# Altium PCB PANNEL-BOARD.PcbDoc
Units mm, origin at the board's own origin, x right, y up, seen from the top; angles counter-clockwise.
Board outline 58 x 85.8 mm, 2 copper layers (Top Layer, Bottom Layer), stack 1.671 mm thick; 4 components, 0 nets, 4 pads, 0 vias.
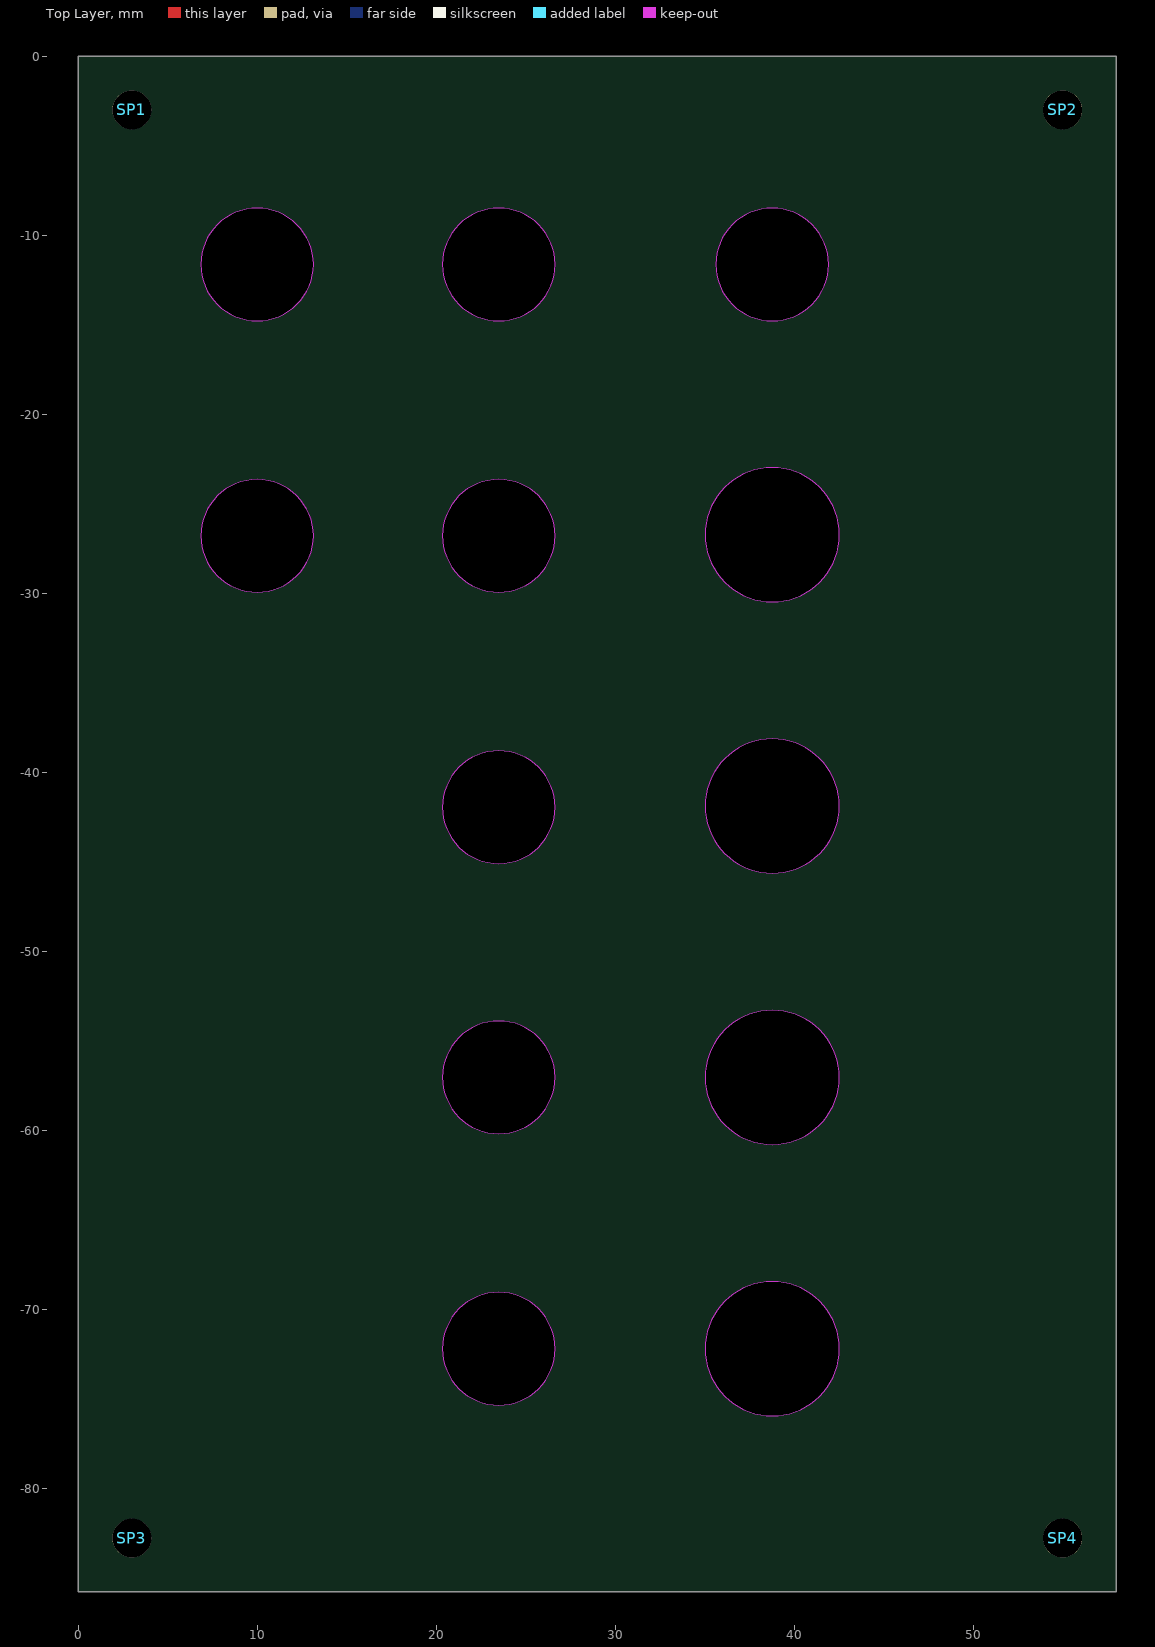
[diagram p0: Top Layer view]
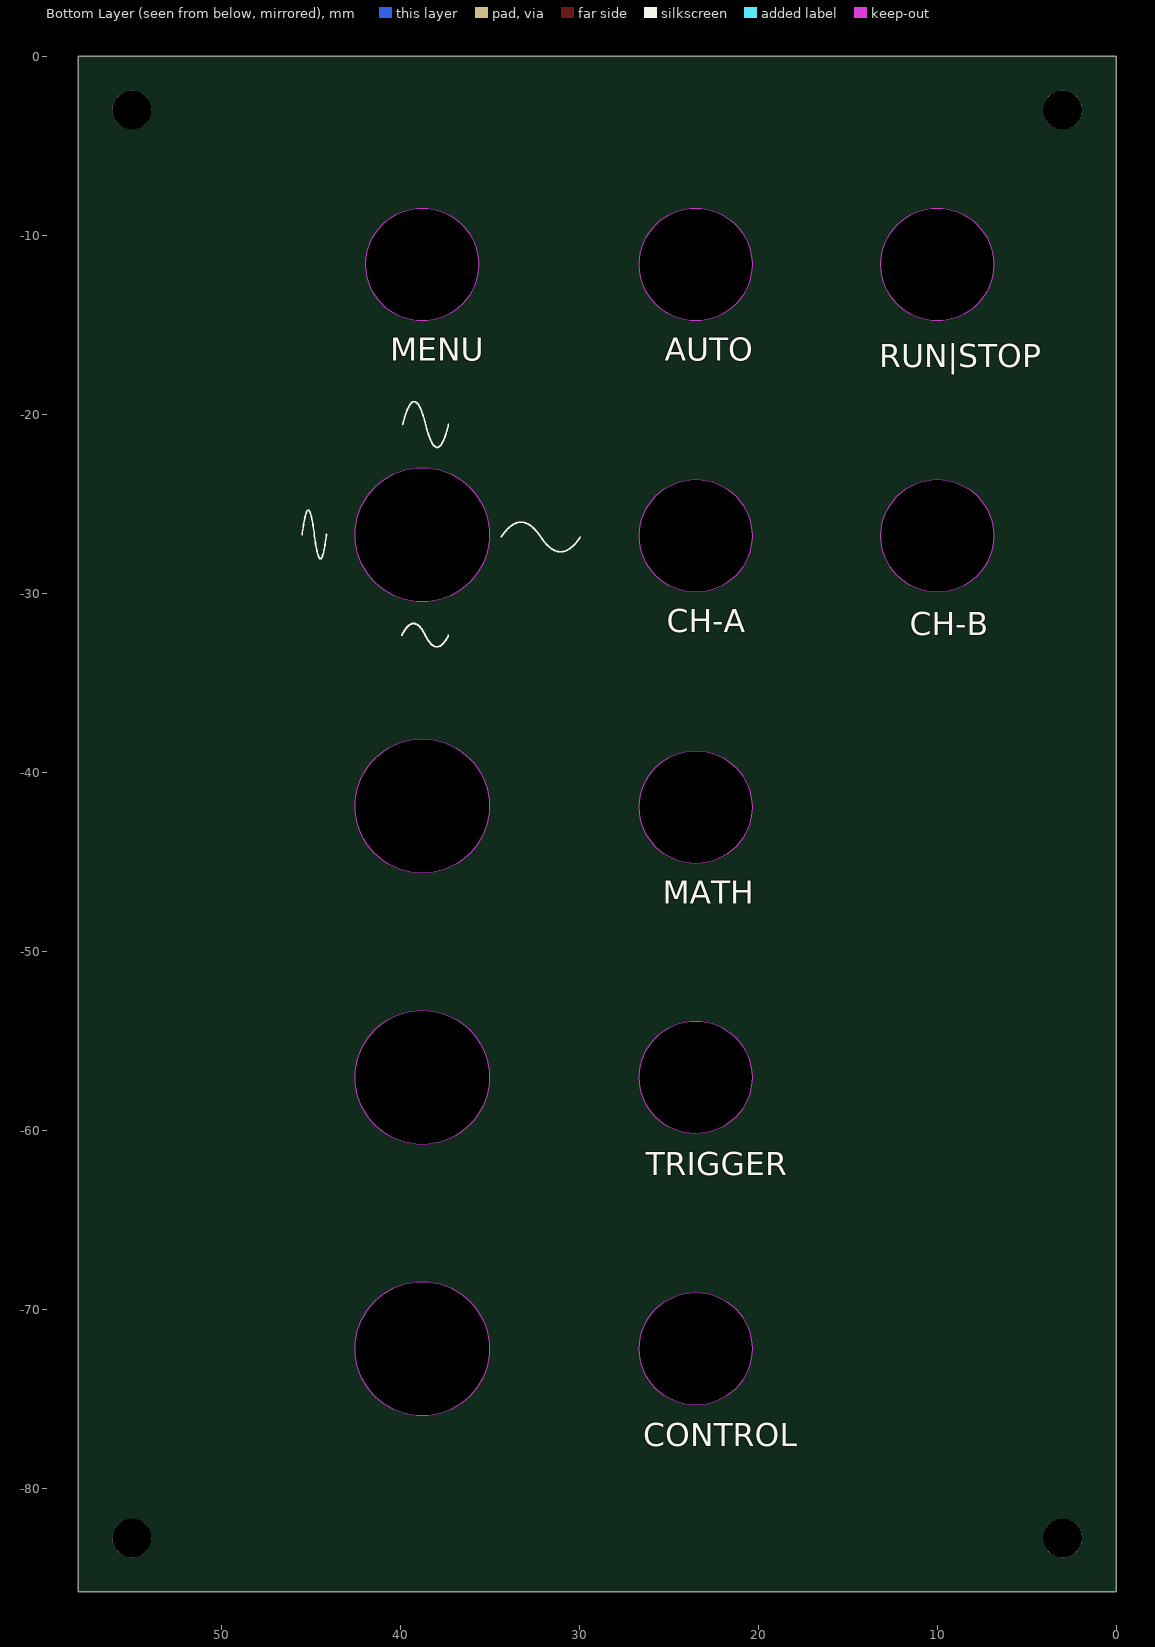
[diagram p1: Bottom Layer view, seen from below]

## Layer stack, top to bottom
Top Solder: solder mask 0.0102, Solder Resist, Dk 3.5
Top Layer: signal copper 0.0356
Dielectric 1: dielectric 1.6, FR-4, Dk 4.8
Bottom Layer: signal copper 0.0356
Bottom Solder: solder mask 0.0102, Solder Resist, Dk 3.5

## Board outline
0,-85.8 0,0 58,0 58,-85.8
cut-out: 20.35,-11.64 ccw(c23.5,-11.64) 23.5,-14.79 ccw(c23.5,-11.64) 26.65,-11.64 ccw(c23.5,-11.64) 23.5,-8.49 ccw(c23.5,-11.64)
cut-out: 6.85,-11.64 ccw(c10,-11.64) 10,-14.79 ccw(c10,-11.64) 13.15,-11.64 ccw(c10,-11.64) 10,-8.49 ccw(c10,-11.64)
cut-out: 35.628,-11.64 ccw(c38.778,-11.64) 38.778,-14.79 ccw(c38.778,-11.64) 41.928,-11.64 ccw(c38.778,-11.64) 38.778,-8.49 ccw(c38.778,-11.64)
cut-out: 20.35,-72.216 ccw(c23.5,-72.216) 23.5,-75.366 ccw(c23.5,-72.216) 26.65,-72.216 ccw(c23.5,-72.216) 23.5,-69.066 ccw(c23.5,-72.216)
cut-out: 35.028,-72.217 ccw(c38.778,-72.217) 38.778,-75.967 ccw(c38.778,-72.217) 42.528,-72.217 ccw(c38.778,-72.217) 38.778,-68.467 ccw(c38.778,-72.217)
cut-out: 35.028,-26.736 ccw(c38.778,-26.736) 38.778,-30.486 ccw(c38.778,-26.736) 42.528,-26.736 ccw(c38.778,-26.736) 38.778,-22.986 ccw(c38.778,-26.736)
cut-out: 20.35,-26.8 ccw(c23.5,-26.8) 23.5,-29.95 ccw(c23.5,-26.8) 26.65,-26.8 ccw(c23.5,-26.8) 23.5,-23.65 ccw(c23.5,-26.8)
cut-out: 6.85,-26.8 ccw(c10,-26.8) 10,-29.95 ccw(c10,-26.8) 13.15,-26.8 ccw(c10,-26.8) 10,-23.65 ccw(c10,-26.8)
cut-out: 35.028,-41.896 ccw(c38.778,-41.896) 38.778,-45.647 ccw(c38.778,-41.896) 42.528,-41.896 ccw(c38.778,-41.896) 38.778,-38.146 ccw(c38.778,-41.896)
cut-out: 20.35,-41.96 ccw(c23.5,-41.96) 23.5,-45.11 ccw(c23.5,-41.96) 26.65,-41.96 ccw(c23.5,-41.96) 23.5,-38.81 ccw(c23.5,-41.96)
cut-out: 20.35,-57.056 ccw(c23.5,-57.056) 23.5,-60.206 ccw(c23.5,-57.056) 26.65,-57.056 ccw(c23.5,-57.056) 23.5,-53.906 ccw(c23.5,-57.056)
cut-out: 35.028,-57.057 ccw(c38.778,-57.057) 38.778,-60.807 ccw(c38.778,-57.057) 42.528,-57.057 ccw(c38.778,-57.057) 38.778,-53.306 ccw(c38.778,-57.057)

## Design rules (kind name [scope] priority, off if disabled: settings)
Clearance [All] p1: gap=0.127 ignorepadtopadclearanceinfootprint=FALSE
DiffPairsRouting [All] p1: maxlimit=0.381 minlimit=0.152 mostfreqgap=0.254 toplayer_minwidth=0.152 toplayer_maxwidth=0.381 toplayer_prefwidth=0.152 bottomlayer_minwidth=0.152 bottomlayer_maxwidth=0.381 bottomlayer_prefwidth=0.152 maxuncoupledlength=12.7
PlaneClearance [All] p1: clearance=0.203
PlaneConnect [All] p1: planeconnectstyle=Direct reliefexpansion=0.508 reliefentries=4 reliefconductorwidth=0.254 reliefairgap=0.254
PolygonConnect [All] p1: connectstyle=Direct reliefconductorwidth=0.254 reliefentries=4 polygonreliefangle="90 Angle" airgapwidth=0.254
RoutingVias [All] p1: holewidth=0.3 width=0.5 viastyle="Through Hole" minholewidth=0.3 minwidth=0.5 maxholewidth=0.3 maxwidth=0.5
SolderMaskExpansion [All] p1: expansion=0.102 istentingtop=FALSE
Width [All] p1: maxlimit=1.27 minlimit=0.152 preferedwidth=0.152
27 further rules are at their usual default settings.

## Components (designator, comment, footprint, x,y, rotation, side; value= is the part's Value field where it differs from the comment)
SP1 "M2铜柱" M2 3,-3 r0 top
SP2 "M2铜柱" M2 55,-3 r0 top
SP3 "M2铜柱" M2 3,-82.8 r0 top
SP4 "M2铜柱" M2 55,-82.8 r0 top

## Footprints (in the part's own frame and the unit in brackets; to place one, negate y for a bottom-side part, rotate by r counter-clockwise, add the part's x,y. Pads: shape width x height; smd on the part's side, far side on the other; paste and mask are expansions set on the pad)
M2 [mm] "M3螺丝孔，孔125Mil，焊盘200Mil"
  round 2.175 hole 2.175: 1(0,0)

## Part data
SP1 SP2 SP3 SP4: BOM名称=铜柱, 学习资源=www.ooocke.com, 版权归属=源创客

## Nets (pads, with @x,y where several pads share a name; then routed paths per layer and width w, separated by ;. In a path a pad name is that pad's centre, name@x,y a point inside that pad or via, vN(x,y) a via of type N, cw(c..) or ccw(c..) an arc to the next point about the centre after c; other vN are vias at no path point)
pads on no net: SP1.1 SP2.1 SP3.1 SP4.1

## Silkscreen, mask and mechanical layers (free items; w line width, h text height)
Bottom Overlay:
  drawing of 878 lines, arcs and shapes, not listed
  text "AUTO" at 25.238,-17.45 h2.2
  text "MENU" at 40.556,-17.451 h2.2
  text "RUN|STOP" at 13.23,-17.8 h2.2
  text "CH-A" at 25.111,-32.609 h2.2
  text "CH-B" at 11.527,-32.779 h2.2
  text "MATH" at 25.35,-47.771 h2.2
  text "TRIGGER" at 26.275,-62.929 h2.2
  text "CONTROL" at 26.44,-78.089 h2.2
Top Solder:
  rectangle: 3.632,-41.045 16.815,-39.852
  rectangle: 3.632,-76.351 16.815,-75.158
  text "STATUS" at 53.571,-12.359 h3
  text "CH - A" at 53.08,-24.724 h3
  text "CH - B" at 53.08,-30.185 h3
  text "MATH" at 52.709,-42.598 h3
  text "TRIGGER" at 53.971,-57.757 h3
  text "CONTROL" at 54.196,-72.917 h3
  text "50MHz BandWidth 250MS/s" at 4.14,-74.065 h3.81 r270
  text "Pixel Oscilloscope" at 8.128,-74.065 h5.46 r270
Bottom Solder:
  rectangle: 3.632,-76.351 16.815,-75.158
  rectangle: 3.632,-41.045 16.815,-39.852
  text "STATUS" at 53.571,-12.359 h3
  text "CH - A" at 53.08,-24.724 h3
  text "CH - B" at 53.08,-30.185 h3
  text "MATH" at 52.709,-42.598 h3
  text "TRIGGER" at 53.971,-57.757 h3
  text "CONTROL" at 54.196,-72.917 h3
  text "50MHz BandWidth 250MS/s" at 4.14,-74.065 h3.81 r270
  text "Pixel Oscilloscope" at 8.128,-74.065 h5.46 r270
Mechanical 1:
  circle w0.203: c10,-11.64 r3.15
  circle w0.203: c23.5,-11.64 r3.15
  circle w0.203: c38.778,-11.64 r3.15
  circle w0.203: c23.5,-72.216 r3.15
  circle w0.203: c38.778,-72.217 r3.75
  circle w0.203: c38.778,-26.736 r3.75
  circle w0.203: c23.5,-26.8 r3.15
  circle w0.203: c10,-26.8 r3.15
  circle w0.203: c38.778,-41.896 r3.75
  circle w0.203: c23.5,-41.96 r3.15
  circle w0.203: c23.5,-57.056 r3.15
  circle w0.203: c38.778,-57.057 r3.75
  lines w0.254: 0,-85.8 58,-85.8 58,0 0,0 0,-85.8